# Altium PCB smart_puzzle.PcbDoc
Units mil, origin at the board's own origin, x right, y up, seen from the top; angles counter-clockwise.
Board outline 3025 x 3030 mil, 2 copper layers (Top Layer, Bottom Layer), stack 55.118 mil thick; 37 components, 73 nets, 202 pads, 27 vias.
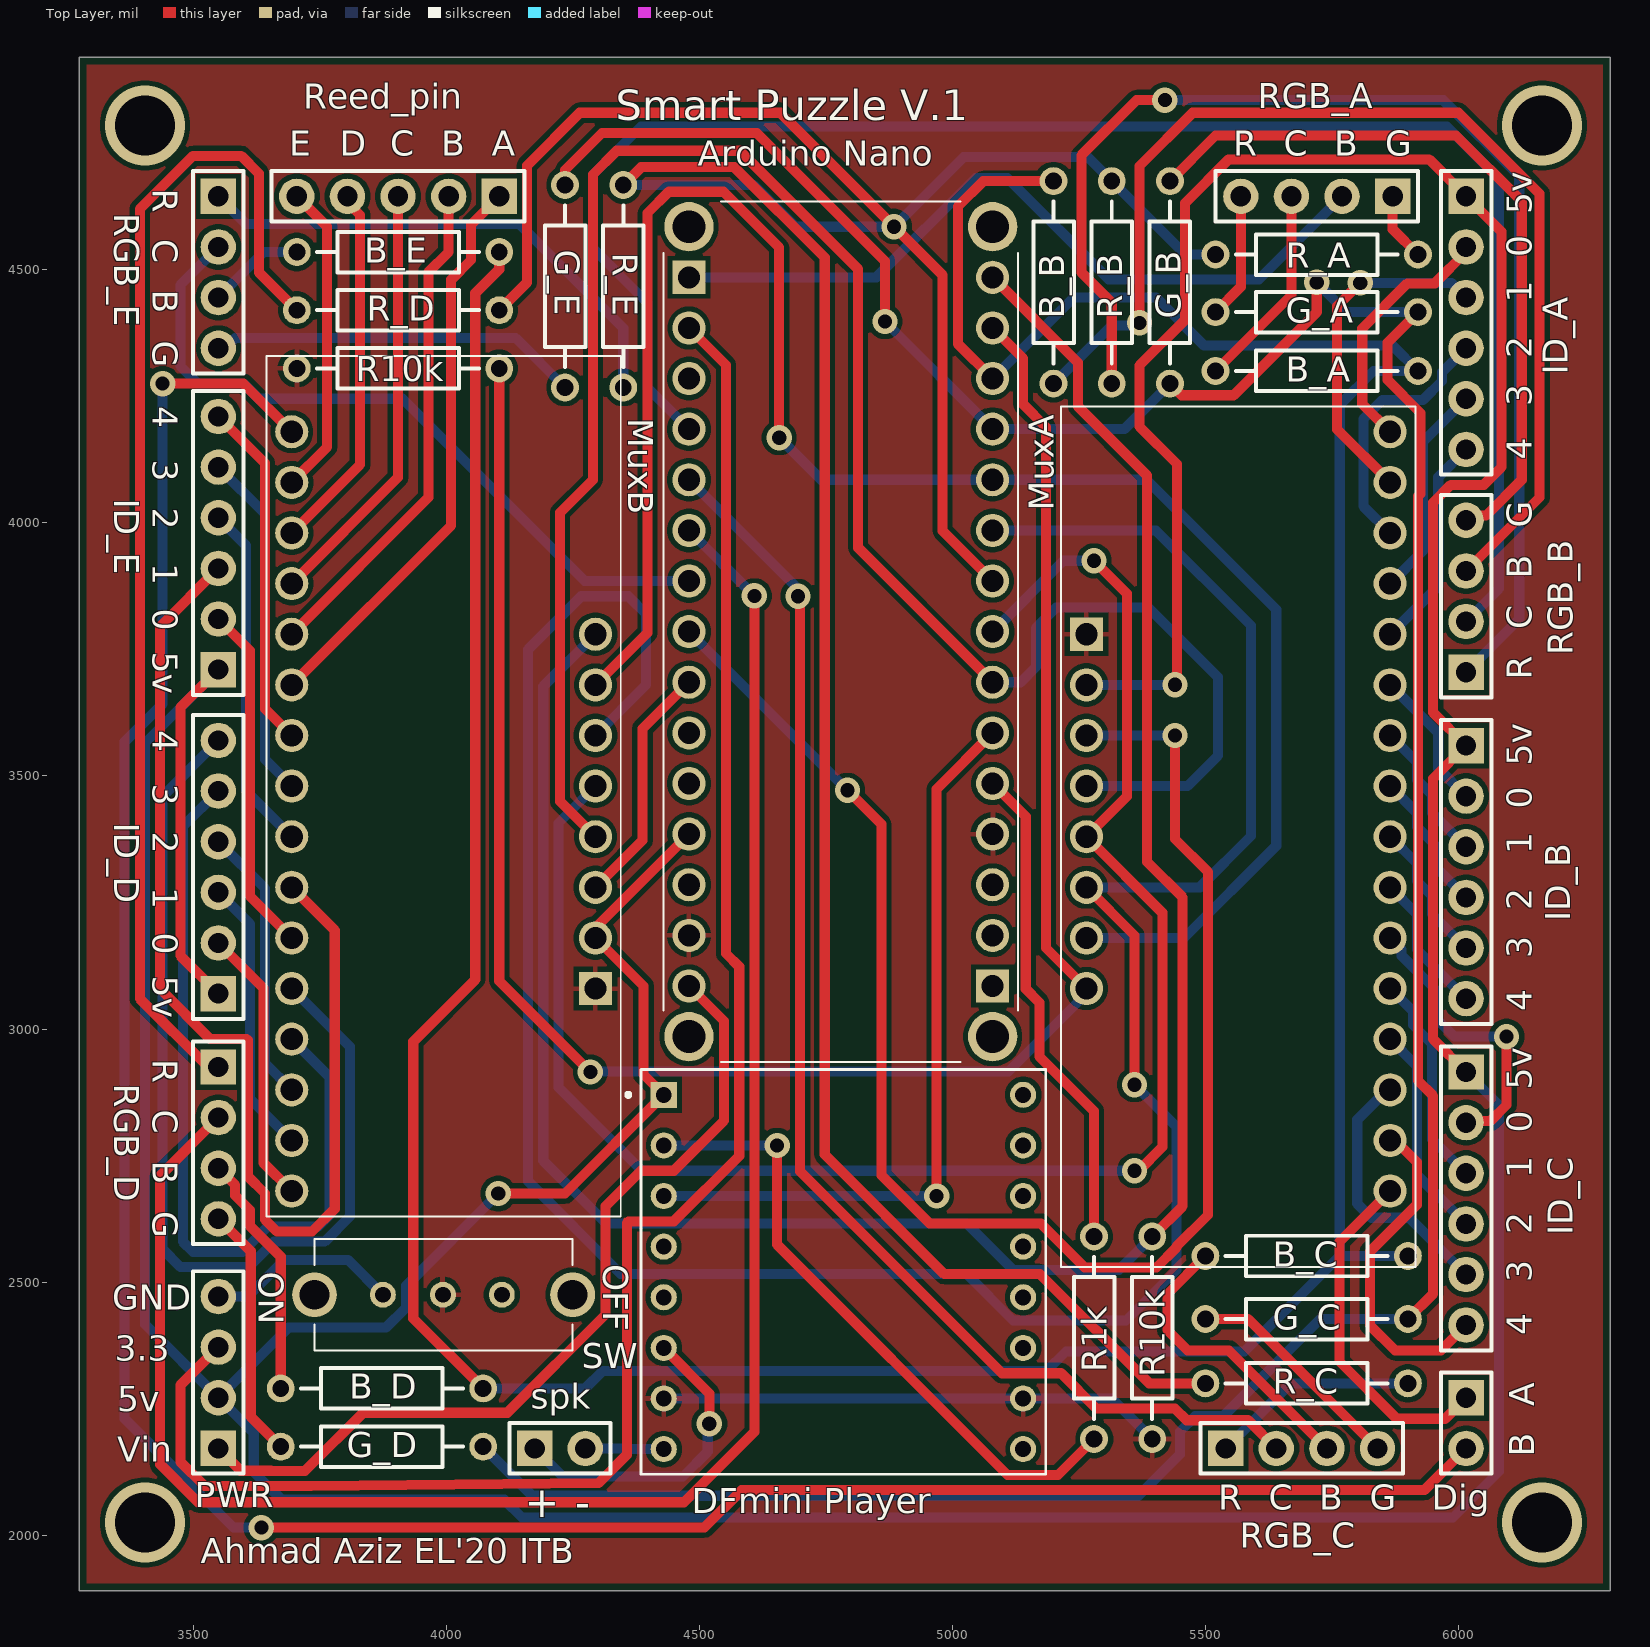
[diagram p0: Top Layer view]
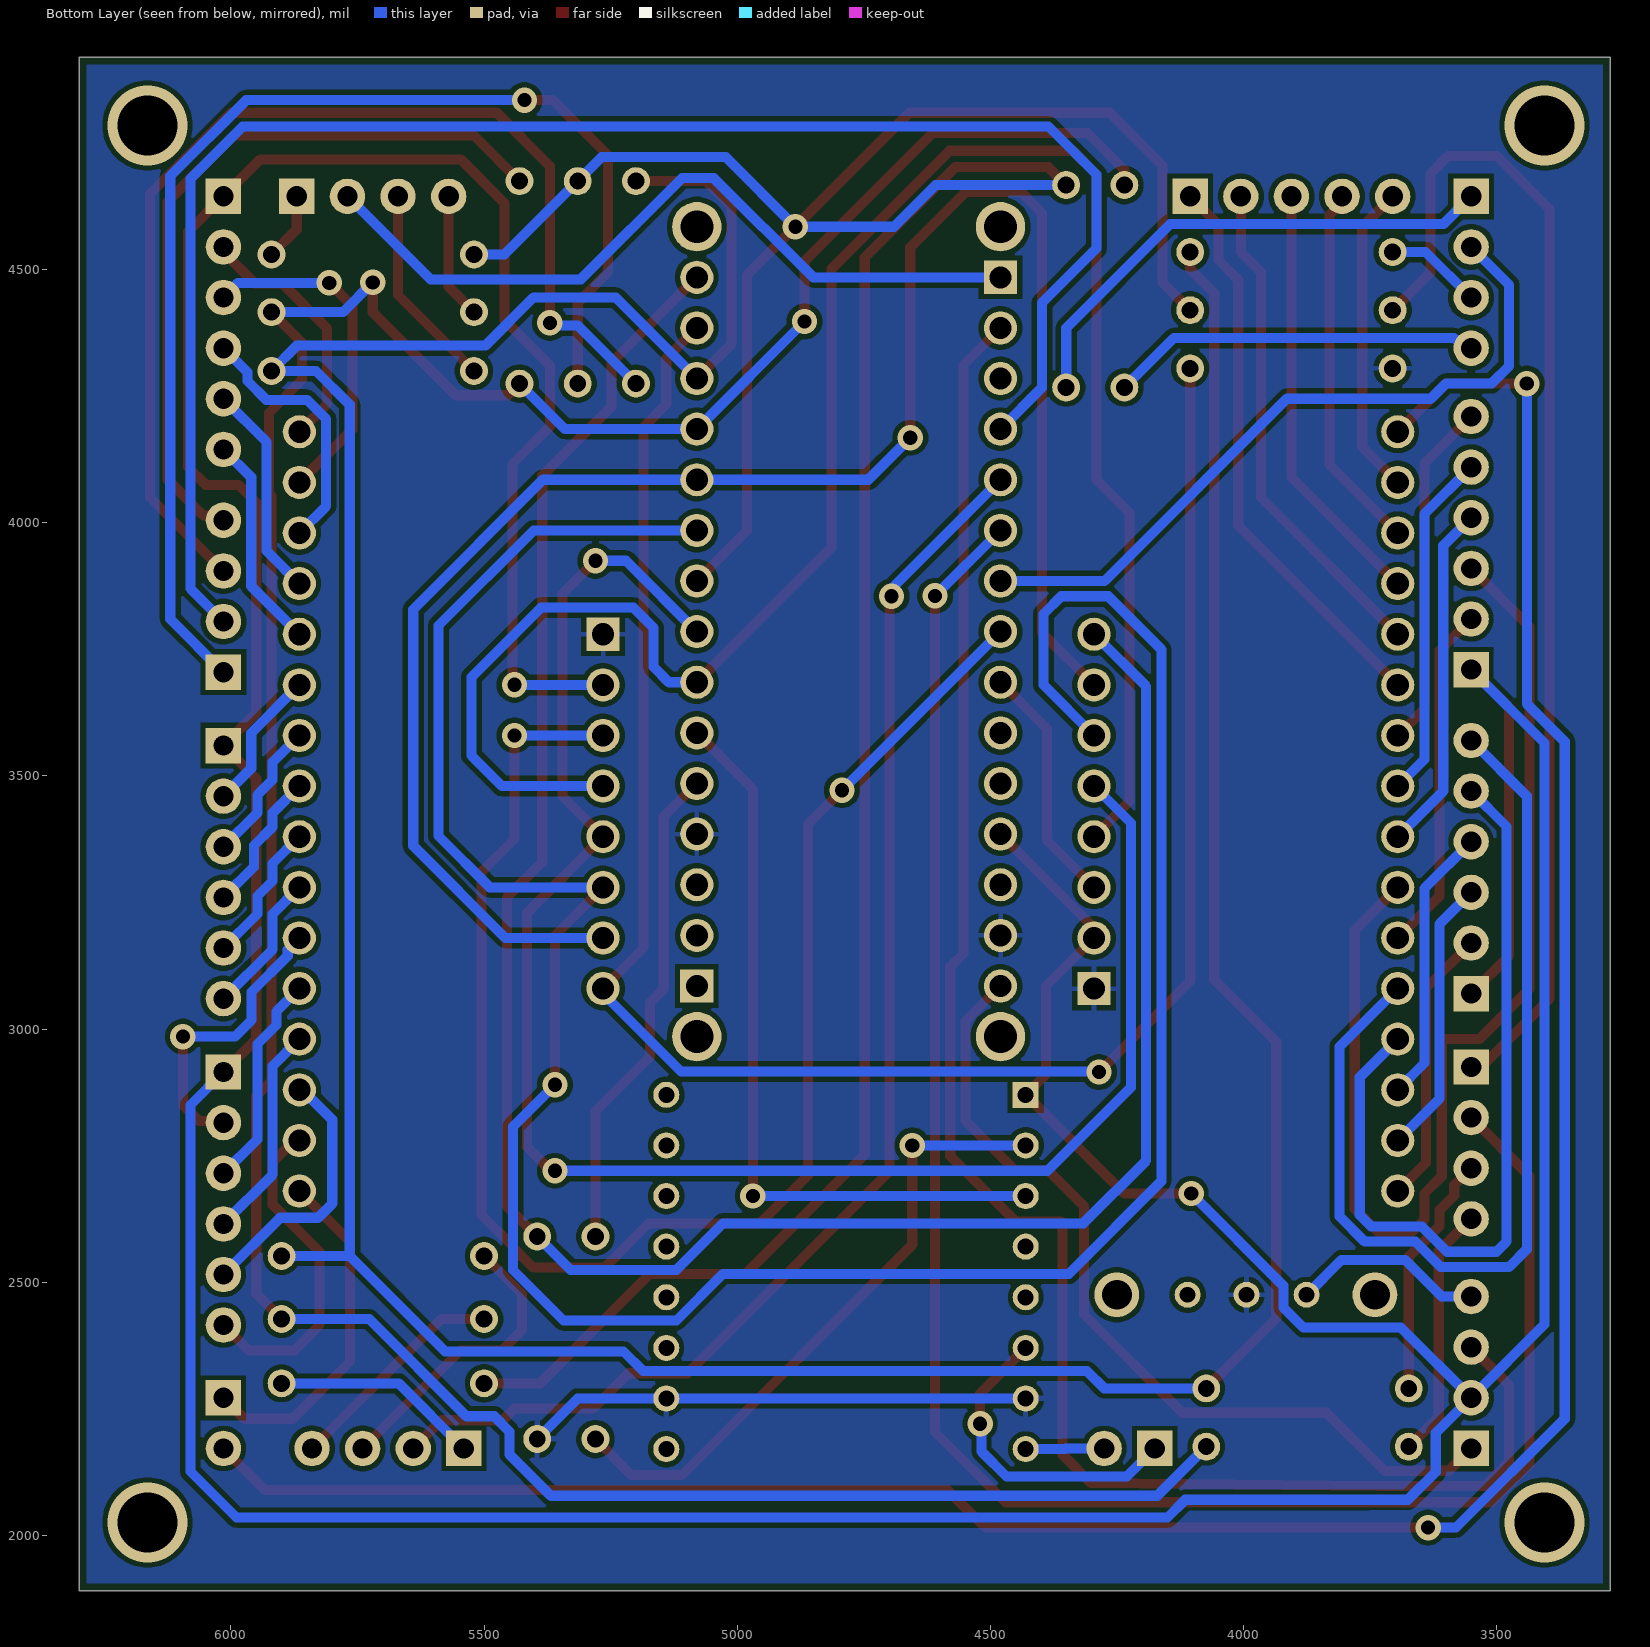
[diagram p1: Bottom Layer view, seen from below]

## Layer stack, top to bottom
Top Solder: solder mask 3.937, Solder Resist, Dk 3.5
Top Layer: signal copper 7.874
Dielectric 1: dielectric 39.3701, FR-4, Dk 4.8
Bottom Layer: signal copper 7.874
Bottom Solder: solder mask 3.937, Solder Resist, Dk 3.5

## Board outline
3275,1890 6300,1890 6300,4920 3275,4920

## Design rules (kind name [scope] priority, off if disabled: settings)
Clearance [All] p1: gap=10 ignorepadtopadclearanceinfootprint=FALSE except(0: Arc-Hole Track-Hole SMDPad-Hole THPad-Hole Via-Hole Fill-Hole Poly-Hole Region-Hole Text-Hole)
PolygonConnect [All] p1: connectstyle=Relief reliefconductorwidth=10 reliefentries=4 polygonreliefangle="90 Angle" airgapwidth=10
RoomDefinition smart_puzzle [InComponentClass('smart_puzzle')] p1: confinementstyle=ConfineIn formatcopy=TRUE lockcomponents=FALSE outline 3290,1905 6285,1905 6285,4905 3290,4905
RoutingVias [All] p1: holewidth=28 width=50 viastyle="Through Hole" minholewidth=28 minwidth=50 maxholewidth=28 maxwidth=50
SolderMaskExpansion [All] p1: expansion=4 istentingtop=FALSE
Width [All] p1: maxlimit=30 minlimit=20 preferedwidth=20 minimp=50.000000 maximp=50.000000 favimp=50.000000
30 further rules are at their usual default settings.

## Components (designator, comment, footprint, x,y, rotation, side; value= is the part's Value field where it differs from the comment)
"Arduino Nano" "ABX00028" ABX00028 4479.71,4485 r270 top
B_A "Resistor 0.25W" "Resistor 0.25W" 5720,4300 r180 top
B_B "Resistor 0.25W" "Resistor 0.25W" 5200,4475 r270 top
B_C "Resistor 0.25W" "Resistor 0.25W" 5700,2551.56 r180 top
B_D "Resistor 0.25W" "Resistor 0.25W" 3873.27,2290 r180 top
B_E "Resistor 0.25W" "Resistor 0.25W" 3905,4535 r180 top
"DFmini Player" "DFmini_player" DFmini_player 4785,2520 r0 top
Dig "Header 2 Male" "Header 2 Male" 6015,2271.44 r270 top
G_A "Resistor 0.25W" "Resistor 0.25W" 5720,4416.18 r180 top
G_B "Resistor 0.25W" "Resistor 0.25W" 5430,4475 r90 top
G_C "Resistor 0.25W" "Resistor 0.25W" 5700,2426.96 r180 top
G_D "Resistor 0.25W" "Resistor 0.25W" 3873.27,2174.86 r180 top
G_E "Resistor 0.25W" "Resistor 0.25W" 4235,4467.38 r270 top
ID_A "Header 6 Male" "Header 6 Male" 6015,4645 r270 top
ID_B "Header 6 Male" "Header 6 Male" 6015,3560 r270 top
ID_C "Header 6 Male" "Header 6 Male" 6015,2915 r270 top
ID_D "Header 6 Male" "Header 6 Male" 3550,3070 r90 top
ID_E "Header 6 Male" "Header 6 Male" 3550,3710 r90 top
MuxA "Component_1" CD74HC4067 5865,4179.88 r270 top
MuxB "Component_1" CD74HC4067 3695,2679.88 r90 top
PWR "Header 4 Male" "Header 4 Male" 3550,2171.44 r90 top
R1k "Resistor 0.25W" "Resistor 0.25W" 5280,2390 r90 top
R10k "Resistor 0.25W" "Resistor 0.25W" 5395,2390 r90 top
R10k "Resistor 0.25W" "Resistor 0.25W" 3905,4305 r0 top
R_A "Resistor 0.25W" "Resistor 0.25W" 5720,4530 r0 top
R_B "Resistor 0.25W" "Resistor 0.25W" 5315,4475 r270 top
R_C "Resistor 0.25W" "Resistor 0.25W" 5700,2300 r0 top
R_D "Resistor 0.25W" "Resistor 0.25W" 3905,4420 r180 top
R_E "Resistor 0.25W" "Resistor 0.25W" 4350,4467.38 r270 top
Reed_pin "Header 5 Male" "Header 5 Male" 4105,4645 r180 top
RGB_A "Header 4 Male" "Header 4 Male" 5870,4645 r180 top
RGB_B "Header 4 Male" "Header 4 Male" 6015,3705 r90 top
RGB_C "Header 4 Male" "Header 4 Male" 5540,2171.44 r0 top
RGB_D "Header 4 Male" "Header 4 Male" 3550,2925 r270 top
RGB_E "Header 4 Male" "Header 4 Male" 3550,4645 r270 top
spk "Header 2 Male" "Header 2 Male" 4175,2171.44 r0 top
SW "OS102011MS2QN1C" OS102011MS2QN1C 3890,2475 r0 top

## Footprints (in the part's own frame and the unit in brackets; to place one, negate y for a bottom-side part, rotate by r counter-clockwise, add the part's x,y. Pads: shape width x height; smd on the part's side, far side on the other; paste and mask are expansions set on the pad)
ABX00028 [mm]
  rect 1.665x1.665 hole 1.11: A1(0,0) B1(35.56,15.24)
  round 1.665 hole 1.11: A2(2.54,0) A3(5.08,0) A4(7.62,0) A5(10.16,0) A6(12.7,0) A7(15.24,0) A8(17.78,0) A9(20.32,0) A10(22.86,0) A11(25.4,0) A12(27.94,0) A13(30.48,0) A14(33.02,0) A15(35.56,0) B2(33.02,15.24) B3(30.48,15.24) B4(27.94,15.24) B5(25.4,15.24) B6(22.86,15.24) B7(20.32,15.24) B8(17.78,15.24) B9(15.24,15.24) B10(12.7,15.24) B11(10.16,15.24) B12(7.62,15.24) B13(5.08,15.24) B14(2.54,15.24) B15(0,15.24)
  round 2.475 hole 1.65: MH1(-2.54,0) MH2(-2.54,15.24) MH3(38.1,15.24) MH4(38.1,0)
  silkscreen extent -3.81,-1.27 39.37,16.51, body extent -4.94,-1.27 39.39,16.51, height 6
CD74HC4067 [mm]
  rect 1.665x1.665 hole 1.11: 1(10.16,-15.24)
  round 1.665 hole 1.11: 2(12.7,-15.24) 3(15.24,-15.24) 4(17.78,-15.24) 5(20.32,-15.24) 6(22.86,-15.24) 7(25.4,-15.24) 8(27.94,-15.24) 9(0,0) 10(2.54,0) 11(5.08,0) 12(7.62,0) 13(10.16,0) 14(12.7,0) 15(15.24,0) 16(17.78,0) 17(20.32,0) 18(22.86,0) 19(25.4,0) 20(27.94,0) 21(30.48,0) 22(33.02,0) 23(35.56,0) 24(38.1,0)
  silkscreen extent -1.27,-16.51 41.91,1.27, body extent -1.45,-16.75 39.55,1.27, height 8.3
DFmini_player [mil]
  rect 51.5x51.5 hole 31.5: 1(-355,350)
  round 51.5 hole 31.5: 2(-355,250) 3(-355,150) 4(-355,50) 5(-355,-50) 6(-355,-150) 7(-355,-250) 8(-355,-350) 9(355,-350) 10(355,-250) 11(355,-150) 12(355,-50) 13(355,50) 14(355,150) 15(355,250) 16(355,350)
  silkscreen extent -429,-400 400,400, body extent -400,-400 400,400, height 246
"Header 2 Male" [mil]
  rect 70x70 hole 40: 1(0,0)
  round 70 hole 40: 2(100,0)
  silkscreen extent -50,-50 150,50, body extent -50,-50 150,50, height 327
"Header 4 Male" [mil]
  rect 70x70 hole 40: 1(0,0)
  round 70 hole 40: 2(100,0) 3(200,0) 4(300,0)
  silkscreen extent -50,-50 350,50, body extent -50,-50 350,50, height 327
"Header 5 Male" [mil]
  rect 70x70 hole 40: 1(0,0)
  round 70 hole 40: 2(100,0) 3(200,0) 4(300,0) 5(400,0)
  silkscreen extent -50,-50 450,50, body extent -50,-50 450,50, height 327
"Header 6 Male" [mil]
  rect 70x70 hole 40: 1(0,0)
  round 70 hole 40: 2(100,0) 3(200,0) 4(300,0) 5(400,0) 6(500,0)
  silkscreen extent -50,-50 550,50, body extent -50,-50 550,50, height 327
OS102011MS2QN1C [mm]
  round 1.3 hole 0.8: 1(-0.381,0) 2(2.635,0) 3(5.588,0)
  round 2.25 hole 1.5: MH1(-3.81,0) MH2(9.144,0)
  silkscreen extent -3.81,-2.79 9.14,2.79
"Resistor 0.25W" [mm]
  round 1.4 hole 0.85: 1(-5.08,0) 2(5.08,0)
  silkscreen extent -4.06,-1.02 4.06,1.02, body extent -5.35,-1.27 5.35,1.33, height 2.7

## Part data
"Arduino Nano": "Integrated Circuit", Manufacturer_Name=Arduino, Mouser Part Number=782-ABX00028, Arrow Part Number=ABX00028, Arrow Price/Stock=https://www.arrow.com/en/products/abx00028/arduino-corporation?region=nac, Datasheet Link=https://store.arduino.cc/arduino-nano-every, Height=10mm, Manufacturer_Part_Number=ABX00028, Mouser Price/Stock=https://www.mouser.co.uk/ProductDetail/Arduino/ABX00028?qs=PzGy0jfpSMtit6rnFl8mVg%3D%3D
"DFmini Player": "Dfplayer - a Mini Mp3 Player", Package=None, Availability=Unavailable, MP=DFR0299, Price=None
SW: "Switch", Manufacturer_Name="C & K COMPONENTS", Mouser Part Number=611-OS102011MS2QN1C, Arrow Part Number=OS102011MS2QN1C, Arrow Price/Stock=https://www.arrow.com/en/products/os102011ms2qn1c/ck?region=europe, Datasheet Link=http://uk.rs-online.com/web/p/products/1546147, Height=8.7mm, Manufacturer_Part_Number=OS102011MS2QN1C, Mouser Price/Stock=https://www.mouser.co.uk/ProductDetail/CK/OS102011MS2QN1C?qs=FgXbtR4Gg7KP4hs8ueQ7Wg%3D%3D

## Via types
v1: diameter 50, hole 28, Top Layer to Bottom Layer, 23 vias
v2: diameter 157.48, hole 118.11, Top Layer to Bottom Layer, 4 vias

## Nets (pads, with @x,y where several pads share a name; then routed paths per layer and width w, separated by ;. In a path a pad name is that pad's centre, name@x,y a point inside that pad or via, vN(x,y) a via of type N, cw(c..) or ccw(c..) an arc to the next point about the centre after c; other vN are vias at no path point)
3.3v: "Arduino Nano.A2" PWR.3 | length 3594.5
  Top Layer w20: PWR.3 3475,2296.44 3475,2145 3523,2097 3733.43,2097 4300.86,2102.86 4357,2159 4357,2617 4360,2620 4450,2620 4579,2749 4579,3123 4553,3149 4553,4311.71 4479.71,4385
+5: "Arduino Nano.A12" "DFmini Player.1" ID_A.1 ID_B.1 ID_C.1 ID_D.1 ID_E.1 MuxA.2 MuxB.2 PWR.2 | length 11338.9
  Top Layer w20: ID_D.1 3475,3145 3475,3635 ID_E.1 ; v1(4103,2675) 4235,2675 4430,2870 4390,2910 4390,3084.88 MuxB.2 4295,3200.29 4479.71,3385 ; v1(5440,3680) 5443.76,3683.76 5443.76,4116.24 5370,4190 5370,4311 5460,4401 5460,4632 5546,4718 5942,4718 ID_A.1 6085,4575 6085,4110 6050,4075 5985,4075 5950,4040 5950,3625 ID_B.1 5950,3495 5950,2980 ID_C.1
  Bottom Layer w20: ID_E.1 3405,3565 3405,2416.44 PWR.2 ; v1(4103,2675) 3921,2493 3921,2450 3881,2410 3688.56,2410 PWR.2 ; MuxA.2 5265.06,3679.94 5439.94,3679.94 v1(5440,3680) ; ID_C.1 6080,2850 6080,2126 5989,2035 4150,2035 4115,2070 3751.72,2070 3675,2070 3620,2125 3620,2201.72 3550.28,2271.44 PWR.2
A0: ID_A.2 MuxA.9 | length 504.4
  Top Layer w20: MuxA.9 5810,4234.88 5810,4384 5899,4473 5953,4473 6015,4535 ID_A.2
A1: ID_A.3 MuxA.10 | length 677.7
  Top Layer w20: v1(5806,4474) 5760,4428 5760,4184.88 MuxA.10
  Bottom Layer w20: v1(5806,4474) 5986,4474 ID_A.3
A2: ID_A.4 MuxA.11 | length 518.2
  Bottom Layer w20: MuxA.11 5812,4032.88 5812,4205 5850,4243 5930.26,4243 5967.56,4280.3 5967.56,4297.56 ID_A.4
A3: ID_A.5 MuxA.12 | length 427.3
  Bottom Layer w20: MuxA.12 5930,3944.88 5930,4160 ID_A.5
A4: ID_A.6 MuxA.13 | length 427.3
  Bottom Layer w20: MuxA.13 5960,3874.88 5960,4090 ID_A.6
B: "Arduino Nano.B13" B_A.1 B_B.1 B_C.1 B_D.1 B_E.1 | length 7716.6
  Top Layer w20: B_D.1 3935,2428.27 3935,2975 4057.44,3097.44 4057.44,4453.44 4105,4501 B_E.1 ; 5079.71,4285 5010.99,4353.72 5010.99,4625 5060.99,4675 B_B.1
  Bottom Layer w20: B_D.1 4275,2290 4309.25,2324.25 5185.75,2324.25 5224.5,2363 5576.85,2363 5765.41,2551.56 ; 5079.71,4285 5239.71,4445 5402.68,4445 5497.68,4350 5870,4350 B_A.1 5832,4300 5765.41,4233.41 5765.41,2551.56 ; B_C.1 5765.41,2551.56
B0: ID_B.2 MuxA.14 | length 282
  Bottom Layer w20: MuxA.14 5960,3584.88 5960,3515 ID_B.2
B1: ID_B.3 MuxA.15 | length 282
  Bottom Layer w20: MuxA.15 5918,3526.88 5918,3492.43 5947.78,3462.66 5947.78,3427.22 ID_B.3
B2: ID_B.4 MuxA.16 | length 282
  Bottom Layer w20: MuxA.16 5917.78,3427.11 5917.78,3399.4 5954.52,3362.66 5954.52,3320.48 ID_B.4
B3: ID_B.5 MuxA.17 | length 282
  Bottom Layer w20: MuxA.17 5918,3326.88 5918,3292.43 5947.78,3262.66 5947.78,3227.22 ID_B.5
B4: ID_B.6 MuxA.18 | length 282
  Bottom Layer w20: MuxA.18 5917.78,3227.11 5917.78,3157.22 ID_B.6
C0: ID_C.2 MuxA.19 | length 580
  Top Layer w20: ID_C.2 6018.46,2818.46 6063.46,2818.46 6095,2850 v1(6095,2985)
  Bottom Layer w20: MuxA.19 5887.78,3157.11 5887.78,3144.8 5959.48,3073.09 5959.48,3017.52 5992,2985 v1(6095,2985)
C1: ID_C.3 MuxA.20 | length 427
  Bottom Layer w20: MuxA.20 5910,3034.88 5910,3008 5947.78,2970.22 5947.78,2782.22 ID_C.3
C2: ID_C.4 MuxA.21 | length 427
  Bottom Layer w20: MuxA.21 5917.78,2927.11 5917.78,2712.22 ID_C.4
C3: ID_C.5 MuxA.22 | length 528.2
  Bottom Layer w20: MuxA.22 5859.11,2879.88 5800,2820.78 5800,2655 5827.89,2627.11 5902.89,2627.11 ID_C.5
C4: ID_C.6 MuxA.23 | length 662.5
  Top Layer w20: MuxA.23 5875.12,2779.88 5917.78,2737.22 5917.78,2652.78 5825,2560 5825,2415 5875,2365 5965,2365 ID_C.6
COM_A: "Arduino Nano.A1" RGB_A.2 | length 1522.2
  Bottom Layer w20: 4479.71,4485 4850,4485 5046,4681 5109,4681 5309,4481 5606,4481 RGB_A.2
COM_B: "Arduino Nano.A4" RGB_B.2 | length 3355.5
  Bottom Layer w20: 4479.71,4185 4398,4266.71 4398,4434.43 4290,4542.43 4290,4688 4385,4783 5977,4783 6080,4680 6080,3870 RGB_B.2
COM_C: "Arduino Nano.A5" RGB_C.2 | length 2624.6
  Top Layer w20: v1(4695,3855) 4699,3851 4699,2719 5098,2320 5215,2320 5285,2250 5440,2250 5463,2227 5584.44,2227 RGB_C.2
  Bottom Layer w20: 4479.71,4085 4689.26,3875.45 4689.26,3860.74 v1(4695,3855)
COM_D: "Arduino Nano.A6" RGB_D.2 | length 3829.8
  Top Layer w20: RGB_D.2 3435,2710 3435,2140 3510,2065 4470,2065 4609,2204 v1(4609,3855.71)
  Bottom Layer w20: 4479.71,3985 v1(4609,3855.71)
COM_E: "Arduino Nano.A7" RGB_E.2 | length 1446.8
  Bottom Layer w20: RGB_E.2 3475,4470 3475,4310 3510,4275 3600,4275 3630,4245 3914,4245 4274,3885 4479.71,3885
D0: ID_D.2 MuxB.9 | length 550.2
  Top Layer w20: ID_D.2 3639,3081 3639,2735.88 MuxB.9
D1: ID_D.3 MuxB.10 | length 550.2
  Bottom Layer w20: ID_D.3 3612.22,3207.78 3612.22,2862.66 MuxB.10
D2: ID_D.4 MuxB.11 | length 550.2
  Bottom Layer w20: ID_D.4 3642.22,3277.78 3642.22,2932.66 MuxB.11
D3: ID_D.5 MuxB.12 | length 1625.8
  Bottom Layer w20: ID_D.5 3480,3400 3480,2580 3500,2560 3597.57,2560 3647.57,2610 3747.57,2610 3770,2632.43 3770,2904.88 MuxB.12
D4: ID_D.6 MuxB.13 | length 1974
  Bottom Layer w20: ID_D.6 3440,3460 3440,2565 3475,2530 3610,2530 3660,2580 3760,2580 3810,2630 3810,2964.88 MuxB.13
Dig_A: Dig.1 MuxA.24 | length 692.3
  Top Layer w20: MuxA.24 5765,2579.88 5765,2343 5878,2230 5973.56,2230 Dig.1
Dig_B: Dig.2 MuxB.24 | length 5174.3
  Top Layer w20: v1(3440,4275) 3599.88,4275 MuxB.24 ; v1(3635,2015) 4510,2015 4584,2089 5932.56,2089 Dig.2
  Bottom Layer w20: v1(3440,4275) 3440,3642.43 3365,3567.43 3365,2230 3580,2015 v1(3635,2015)
E0: ID_E.2 MuxB.14 | length 690.2
  Top Layer w20: ID_E.2 3612.22,3747.78 3612.22,3262.66 MuxB.14
E1: ID_E.3 MuxB.15 | length 2298.4
  Top Layer w20: ID_E.3 3435,3795 3435,3079 3534,2980 3606,2980 3608,2978 3608,2709.22 3642.22,2675 3642.22,2623.47 3665.69,2600 3735,2600 3780,2645 3780,3194.88 MuxB.15
E2: ID_E.4 MuxB.16 | length 690.2
  Bottom Layer w20: ID_E.4 3605,3955 3605,3469.88 MuxB.16
E3: ID_E.5 MuxB.17 | length 690.2
  Bottom Layer w20: ID_E.5 3642.22,4017.78 3642.22,3532.66 MuxB.17
E4: ID_E.6 MuxB.18 | length 690.2
  Top Layer w20: ID_E.6 3642.22,4117.78 3642.22,3632.66 MuxB.18
EN_A: "Arduino Nano.A8" MuxA.3 | length 3145.4
  Top Layer w20: v1(4793,3471.71) 4860,3404.71 4860,2711 4955.25,2615.75 5175,2615.75 5261.75,2529 5403.52,2529 5442.56,2568.04 5442.56,2570.3 5505,2632.74 5505,3310.53 5440,3375.53 v1(5440,3580)
  Bottom Layer w20: 4479.71,3785 v1(4793,3471.71) ; MuxA.3 5265.06,3579.94 5439.94,3579.94 v1(5440,3580)
EN_B: "Arduino Nano.A9" MuxB.3 | length 481.6
  Top Layer w20: MuxB.3 4388,3372.88 4388,3593.29 4479.71,3685
G: "Arduino Nano.B12" G_A.1 G_B.1 G_C.1 G_D.1 G_E.1 | length 6368.8
  Top Layer w20: G_E.1 4235,4697 4308,4770 4613.72,4770 4867,4516.72 v1(4867,4397.71) ; G_B.1 5453,4252 5555.82,4252 5720,4416.18 v1(5720,4475) ; G_C.1 5950,2476.96 5950,2868 5920,2898 5920,4052.43 5925,4057.43 5925,4217 5860,4282 5860,4356.18 G_A.1
  Bottom Layer w20: G_D.1 4170.13,2078 5368,2078 5450,2160 5450,2205 5480,2235 5535,2235 5726.96,2426.96 G_C.1 ; v1(4867,4397.71) 5079.71,4185 5340,4185 G_B.1 ; v1(5720,4475) 5778.82,4416.18 G_A.1
GND: "Arduino Nano.A14" "Arduino Nano.B4" "DFmini Player.7" "DFmini Player.10" MuxA.1 MuxB.1 R10k.1 SW.2 | length 998.1
  Bottom Layer w20: 4430,2270 5140,2270 5315,2270 R10k.1@5395,2190
NetB_A_2: B_A.2 RGB_A.3 | length 407.1
  Top Layer w20: B_A.2 5670,4450 RGB_A.3
NetB_B_2: B_B.2 RGB_B.3 | length 2234.5
  Top Layer w20: v1(5370,4395) 5370,4705 5475,4810 6000,4810 6160,4650 6160,4050 RGB_B.3
  Bottom Layer w20: B_B.2 5315,4390 5365,4390 v1(5370,4395)
NetB_C_2: B_C.2 RGB_C.3 | length 589.4
  Top Layer w20: B_C.2 5425,2476.56 5425,2405 5465,2365 5546.44,2365 RGB_C.3
NetB_D_2: B_D.2 RGB_D.3 | length 486.1
  Top Layer w20: RGB_D.3 3583.27,2691.73 3583.27,2671.26 3612.22,2642.31 3612.22,2611.04 3673.27,2550 B_D.2
NetB_E_2: B_E.2 RGB_E.3 | length 192.3
  Bottom Layer w20: RGB_E.3 3640,4535 B_E.2
"NetDFmini Player_2": "DFmini Player.2" R1k.1 | length 1263.9
  Top Layer w20: v1(4654,2770) 4654,2574 5109,2119 5209,2119 R1k.1
  Bottom Layer w20: 4430,2770 v1(4654,2770)
NetG_A_2: G_A.2 RGB_A.4 | length 249.5
  Top Layer w20: G_A.2 5570,4466.18 RGB_A.4
NetG_B_2: G_B.2 RGB_B.4 | length 1479.3
  Top Layer w20: G_B.2 5520,4765 5995,4765 6125,4635 6125,4085 6054.57,4014.57 6024.57,4014.57 RGB_B.4
NetG_C_2: G_C.2 RGB_C.4 | length 445.8
  Top Layer w20: G_C.2 5584.48,2426.96 RGB_C.4
NetG_D_2: G_D.2 RGB_D.4 | length 501.2
  Top Layer w20: RGB_D.4 3614,2561 3614,2234.13 G_D.2
NetG_E_2: G_E.2 RGB_E.4 | length 733.7
  Bottom Layer w20: RGB_E.4 3563.53,4345 3583.53,4365 4137.38,4365 G_E.2
NetPWR_4: PWR.4 SW.1 | length 383.6
  Bottom Layer w20: PWR.4 3608,2471.44 3680.56,2544 3806,2544 SW.1
NetR_A_2: R_A.2 RGB_A.1 | length 135.7
  Top Layer w20: RGB_A.1 5870,4580 R_A.2
NetR_B_2: R_B.2 RGB_B.1 | length 2471.6
  Top Layer w20: R_B.2 5315,4435 5255,4495 5255,4726 5364,4835 v1(5420,4835)
  Bottom Layer w20: v1(5420,4835) 5970,4835 6120,4685 6120,3810 RGB_B.1
NetR_C_2: R_C.2 RGB_C.1 | length 413.3
  Bottom Layer w20: RGB_C.1 5668.56,2300 R_C.2
NetR_D_2: R_D.2 RGB_D.1 | length 2365
  Top Layer w20: RGB_D.1 3530,2925 3395,3060 3395,4620 3500,4725 3595,4725 3630,4690 3630,4495 R_D.2
NetR_E_2: R_E.2 RGB_E.1 | length 1025.3
  Bottom Layer w20: RGB_E.1 3605,4590 4145,4590 4350,4385 R_E.2
R: "Arduino Nano.B9" R_A.1 R_B.1 R_C.1 R_D.1 R_E.1 | length 6489.5
  Top Layer w20: R_D.1 4160,4475 4160,4706 4264,4810 4660,4810 4980.87,4489.13 4980.87,3983.84 5079.71,3885 ; R_E.1 4385.34,4702.72 4569.28,4702.72 4748,4524 4748,2752 4984.25,2515.75 5173.25,2515.75 5389,2300 R_C.1
  Bottom Layer w20: R_E.1 4607.62,4667.38 4690,4585 v1(4885,4585) 5022.56,4722.56 5267.44,4722.56 5460,4530 R_A.1
Reed_A: MuxB.19 Reed_pin.1 | length 1134.9
  Top Layer w20: MuxB.19 4010,3994.88 4010,4480.12 4049,4519.12 4049,4589 Reed_pin.1
Reed_B: MuxB.20 Reed_pin.2 | length 993.5
  Top Layer w20: MuxB.20 3965,4049.88 3965,4495.12 4005,4535.12 Reed_pin.2
Reed_C: MuxB.21 Reed_pin.3 | length 852.1
  Top Layer w20: MuxB.21 3905,4089.88 Reed_pin.3
Reed_D: MuxB.22 Reed_pin.4 | length 731.4
  Top Layer w20: MuxB.22 3830,4114.88 3830,4608.28 3805,4633.28 Reed_pin.4
Reed_E: MuxB.23 Reed_pin.5 | length 619
  Top Layer w20: MuxB.23 3765,4149.88 3765,4585 Reed_pin.5
RX: "Arduino Nano.B6" "DFmini Player.3" | length 1499.9
  Top Layer w20: v1(4969,2670) 4969,3474.29 5079.71,3585
  Bottom Layer w20: 4430,2670 v1(4969,2670)
S0: "Arduino Nano.B7" MuxA.4 MuxB.4 | length 3979.1
  Top Layer w20: MuxB.4 4225,3449.88 4225,4020 4290,4085 4290,4688 4337,4735 4580,4735 4814,4501 4814,3950.71 5079.71,3685
  Bottom Layer w20: 5079.71,3685 5135,3685 5165,3715 5165,3792.28 5205.37,3832.66 5387.34,3832.66 5525,3695 5525,3540 5464.88,3479.88 MuxA.4
S1: "Arduino Nano.B8" MuxA.5 MuxB.5 | length 3444.5
  Top Layer w20: v1(5280,3925) 5345,3860 5345,3459.88 MuxA.5 5415,3229.88 5415,2766.88 5368.12,2720 v1(5360,2720)
  Bottom Layer w20: MuxB.5 4222,3406.88 4222,2885 4387,2720 v1(5360,2720) ; 5079.71,3785 5219.71,3925 v1(5280,3925)
S2: "Arduino Nano.B10" MuxA.6 MuxB.6 | length 5260.3
  Top Layer w20: MuxA.6 5360,3184.88 v1(5360,2890)
  Bottom Layer w20: MuxB.6 4395,3679.88 4395,3820 4360,3855 4267,3855 4162,3750 4162,2699 4345,2516 5028.25,2516 5120,2424.25 5343.25,2424.25 5443,2524 5443,2807 v1(5360,2890) ; 5079.71,3985 5402.06,3985 5590,3797.06 5590,3381.12 5488.76,3279.88 MuxA.6
S3: "Arduino Nano.B11" MuxA.7 MuxB.7 | length 3713.5
  Top Layer w20: MuxB.7 4398,3782.88 4398,4612 4440,4654 4548,4654 4658,4544 v1(4658,4168)
  Bottom Layer w20: v1(4658,4168) 4741,4085 5079.71,4085 5383.82,4085 5640,3828.82 5640,3362 5457.88,3179.88 MuxA.7
sigA: "Arduino Nano.B14" MuxA.8 R10k.2@4105,4305 | length 3900.5
  Top Layer w20: R10k.2@4105,4305 4105,3095 v1(4285,2915) ; 5079.71,4385 5140,4324.71 5140,4234 5185,4189 5185,3159.88 MuxA.8
  Bottom Layer w20: v1(4285,2915) 4286,2916 5111,2916 5265,3070 MuxA.8
sigB: "Arduino Nano.B15" MuxB.8 R10k.2@5395,2590 | length 4477.4
  Top Layer w20: 5079.71,4485 5248,4316.71 5248,4230 5385,4093 5385,3330 5455,3260 5455,2650 R10k.2@5395,2590
  Bottom Layer w20: MuxB.8 4192,3676.88 4192,2740 4316,2616 5028,2616 5119.75,2524.25 5329.25,2524.25 R10k.2@5395,2590
SPK+: "DFmini Player.6" spk.1 | length 628.8
  Top Layer w20: 4430,2370 4520,2280 v1(4520,2220)
  Bottom Layer w20: spk.1 4230.44,2116 4468,2116 4517,2165 4517,2217 v1(4520,2220)
SPK-: "DFmini Player.8" spk.2 | length 155.6
  Bottom Layer w20: spk.2 4351,2171.44 4352.44,2170 4430,2170
TX: "Arduino Nano.B5" R1k.2 | length 978
  Top Layer w20: 5079.71,3485 5145,3419.71 5145,3079.24 5172,3052.24 5172,2945.75 5280,2837.75 R1k.2
Vin: "Arduino Nano.A15" PWR.1 | length 1724
  Top Layer w20: PWR.1 3594.13,2127.3 3653.57,2127.3 3704.43,2127 3721,2127 3726.86,2132.86 3836,2242 4121,2242 4315,2436 4315,2650 4385,2720 4450,2720 4549,2819 4549,3015.71 4479.71,3085
pads on no net: "Arduino Nano.A3" "Arduino Nano.A10" "Arduino Nano.A11" "Arduino Nano.A13" "Arduino Nano.B1" "Arduino Nano.B2" "Arduino Nano.B3" "Arduino Nano.MH1" "Arduino Nano.MH2" "Arduino Nano.MH3" "Arduino Nano.MH4" "DFmini Player.4" "DFmini Player.5" "DFmini Player.9" "DFmini Player.11" "DFmini Player.12" "DFmini Player.13" "DFmini Player.14" "DFmini Player.15" "DFmini Player.16" SW.3 SW.MH1 SW.MH2
copper on no net:
  other v2: 3405,2025 6165,2025 3405,4785 6165,4785

## Polygon pours and split planes (outlines as drawn)
GND on Top Layer "NONET_L-01_P-001" (solid, remove dead copper, pour order 1): 3290,4905 6285,4905 6285,1905 3290,1905
GND on Bottom Layer "NONET_L-01_P-001" (solid, remove dead copper, pour order 0): 3290,4905 6285,4905 6285,1905 3290,1905

## Silkscreen, mask and mechanical layers (free items; w line width, h text height)
Top Overlay:
  text "Smart Puzzle V.1" at 4335,4795 h60
  text "E" at 3690,4725 h50
  text "D" at 3790,4725 h50
  text "C" at 3890,4725 h50
  text "B" at 3990,4725 h50
  text "A" at 4090,4725 h50
  text "R" at 5555,4725 h50
  text "C" at 5655,4725 h50
  text "B" at 5755,4725 h50
  text "G" at 5855,4725 h50
  text "R" at 3420,4660 h50 r270
  text "5v" at 6145,4610 h50 r90
  text "C" at 3420,4560 h50 r270
  text "0" at 6145,4525 h50 r90
  text "B" at 3420,4460 h50 r270
  text "1" at 6145,4435 h50 r90
  text "G" at 3420,4360 h50 r270
  text "2" at 6145,4325 h50 r90
  text "4" at 3420,4230 h50 r270
  text "3" at 6145,4230 h50 r90
  text "3" at 3420,4125 h50 r270
  text "4" at 6145,4125 h50 r90
  text "2" at 3420,4030 h50 r270
  text "G" at 6145,3990 h50 r90
  text "1" at 3420,3920 h50 r270
  text "B" at 6145,3890 h50 r90
  text "0" at 3420,3830 h50 r270
  text "C" at 6145,3790 h50 r90
  text "5v" at 3420,3745 h50 r270
  text "R" at 6145,3690 h50 r90
  text "4" at 3420,3590 h50 r270
  text "5v" at 6145,3520 h50 r90
  text "3" at 3420,3485 h50 r270
  text "0" at 6145,3435 h50 r90
  text "2" at 3420,3390 h50 r270
  text "1" at 6145,3345 h50 r90
  text "1" at 3420,3280 h50 r270
  text "2" at 6145,3235 h50 r90
  text "0" at 3420,3190 h50 r270
  text "3" at 6145,3140 h50 r90
  text "5v" at 3420,3105 h50 r270
  text "4" at 6145,3035 h50 r90
  text "R" at 3420,2940 h50 r270
  text "5v" at 6145,2880 h50 r90
  text "C" at 3420,2840 h50 r270
  text "0" at 6145,2795 h50 r90
  text "B" at 3420,2740 h50 r270
  text "1" at 6145,2705 h50 r90
  text "G" at 3420,2640 h50 r270
  text "2" at 6145,2595 h50 r90
  text "OFF" at 4310,2535 h50 r270
  text "ON" at 3630,2520 h50 r270
  text "3" at 6145,2500 h50 r90
  text "GND" at 3340,2445 h50
  text "4" at 6145,2395 h50 r90
  text "3.3" at 3345,2345 h50
  text "A" at 6150,2255 h50 r90
  text "5v" at 3350,2245 h50
  text "B" at 6150,2155 h50 r90
  text "Vin" at 3350,2145 h50
  text "R" at 5525,2050 h50
  text "C" at 5625,2050 h50
  text "B" at 5725,2050 h50
  text "G" at 5825,2050 h50
  text "+" at 4155,2035 h60
  text "-" at 4255,2035.01 h60
  text "Ahmad Aziz EL'20 ITB" at 3515,1945 h50